# KiCad board panel.kicad_pcb (continued)
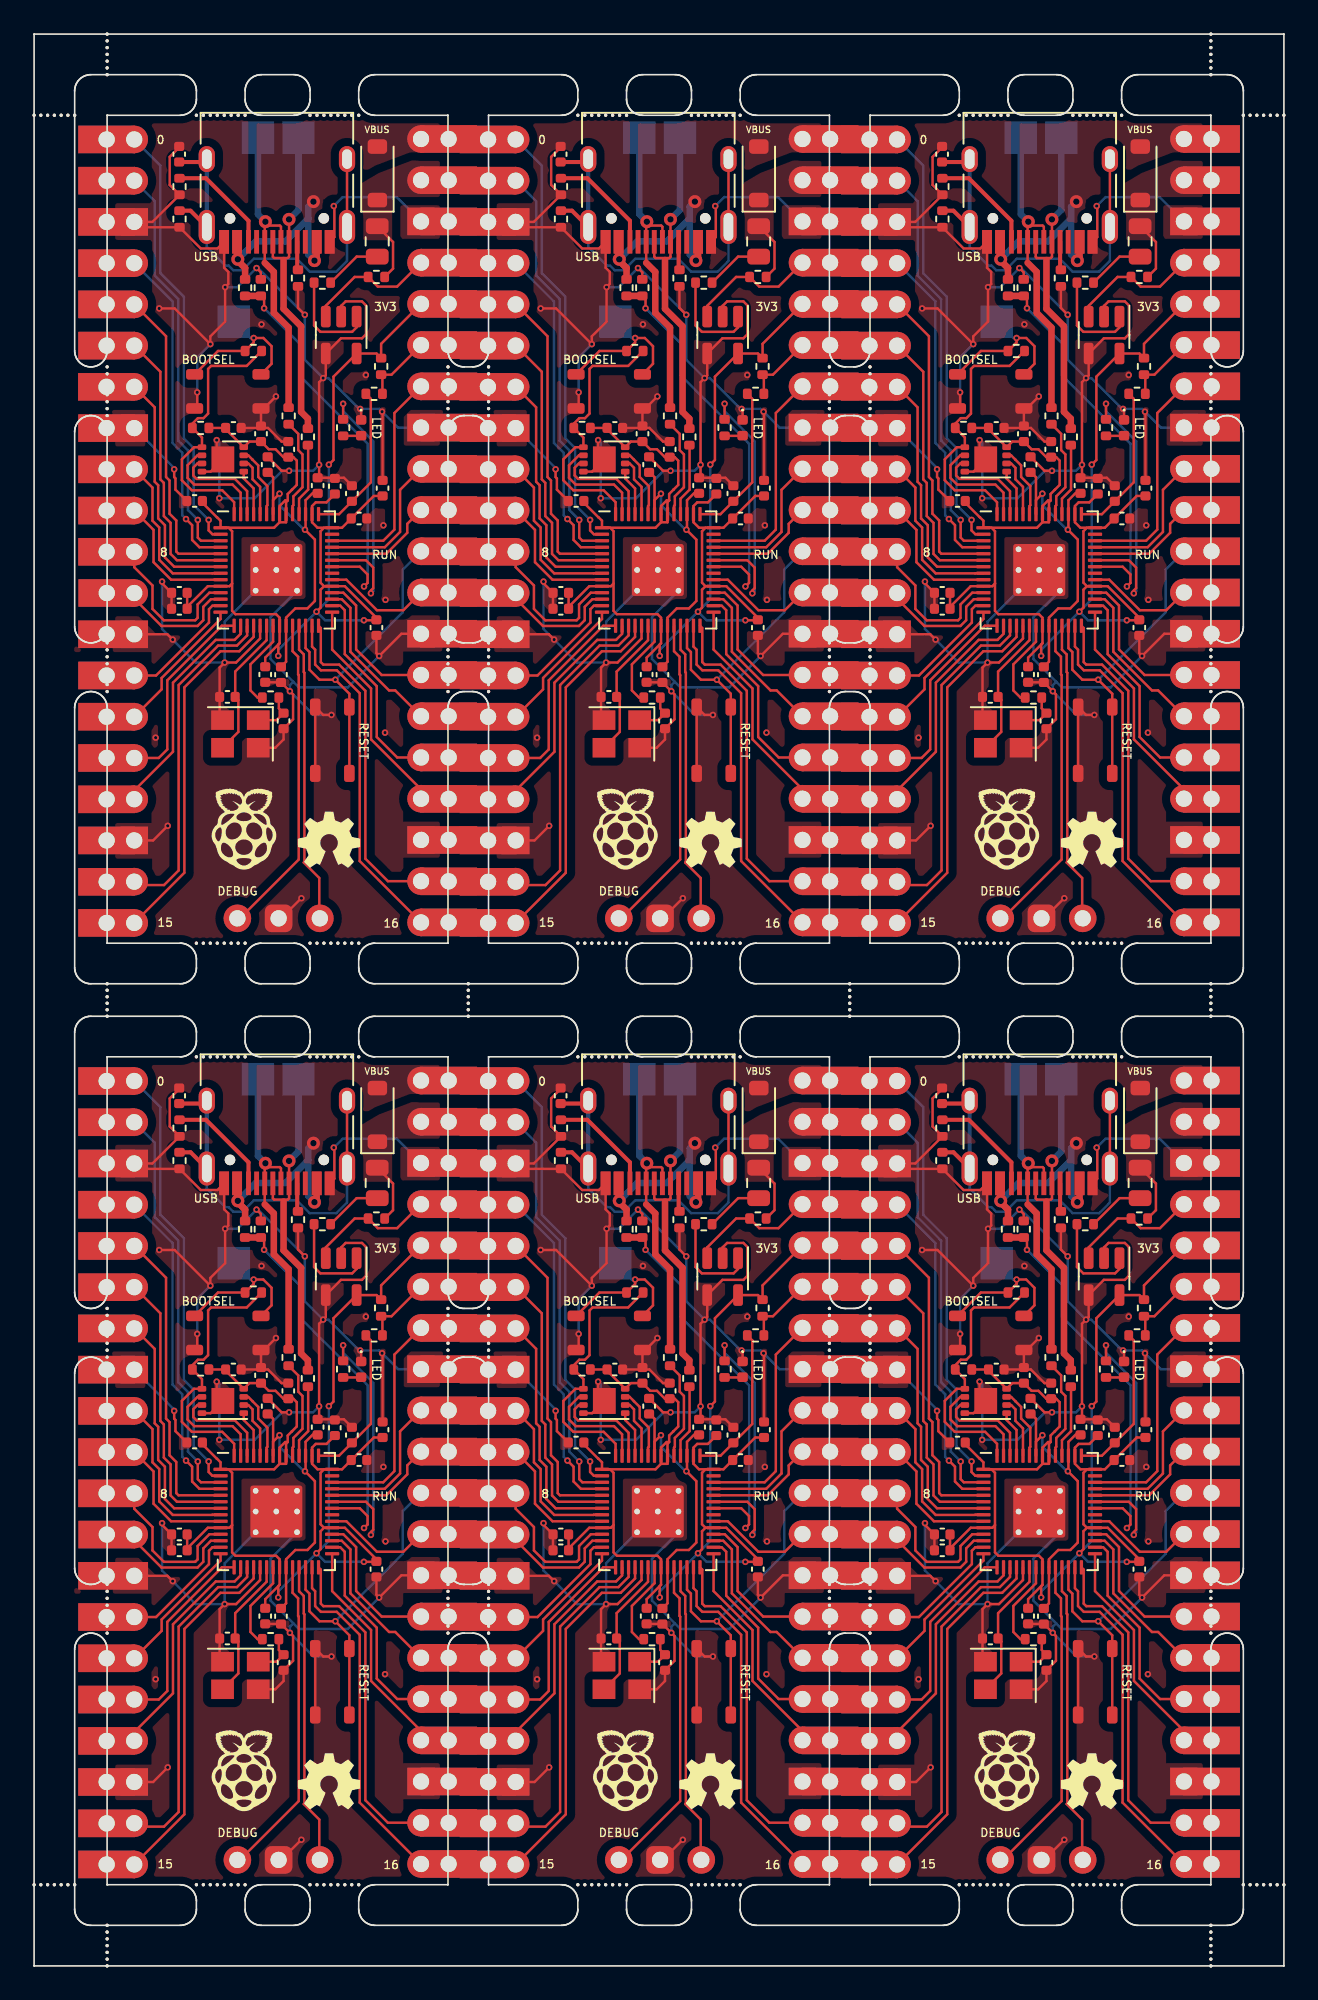
[diagram p0: board, top side]
## Routing (per net, layer and track width the routed paths; a pad name or vN(x,y) marks a point on that pad's centre or on a via; arc(x,y) is an arc through that point) (continued)
Board_5-/GPIO9: length 7.5
  Top w0.15: J1#4.12 53.17,26.22 54.85,24.54 57.07,24.54 57.43,24.89 57.43,25.72 57.89,26.19 U1#5.12
Board_5-/GPIO10: length 7.6
  Top w0.15: U1#5.13 57.99,25.79 57.78,25.58 57.78,24.75 54.52,21.49 J1#4.14
Board_5-/GPIO11: length 8.6
  Top w0.15: J1#4.15 54.86,20.64 54.86,21.34 58.49,24.97 U1#5.14
Board_5-/GPIO12: length 12
  Top w0.15: 59.32,24.55 58.57,24.55 55.21,21.19 55.21,16.94 54.68,16.41 J1#4.16
Board_5-/GPIO13: length 14.1
  Top w0.15: J1#4.17 53.17,14.41 55.56,16.79 55.56,21.05 58.19,23.68 59.35,23.68 59.72,24.05 59.72,24.55
Board_5-/GPIO14: length 20.7
  Top w0.15: J1#4.19 53.38,8.58 55.01,8.58 55.91,9.48 55.91,20.9 58.34,23.33 59.5,23.33 60.12,23.96 U1#5.17
Board_5-/GPIO15: length 22
  Top w0.15: J1#4.20 56.26,9.34 56.26,20.76 58.48,22.98 59.64,22.98 60.53,23.86 U1#5.18
Board_5-/GPIO16: length 21.6
  Top w0.15: J2.20 67.06,10.06 67.06,20.4 65.65,21.81 64.67,21.81 64.31,22.17 64.31,23.08 64.12,23.27 U1#5.27
Board_5-/GPIO17: length 20.1
  Top w0.15: J2.19 68.79,8.82 67.41,10.2 67.41,20.54 65.79,22.16 64.82,22.16 64.66,22.31 64.66,24.41 U1#5.28
Board_5-/GPIO18: length 13.8
  Top w0.15: U1#5.29 65.36,23.09 67.76,20.69 67.76,17.56 70.84,14.48 J2.17
Board_5-/GPIO19: length 12.8
  Top w0.15: U1#5.30 65.86,25.79 66.14,25.51 66.14,22.8 68.11,20.83 68.11,17.7 69.37,16.44 J2.16
Board_5-/GPIO20: length 10
  Top w0.15: U1#5.31 65.96,26.19 66.49,25.66 66.49,22.95 68.87,20.57 69.25,20.57 J2.15
Board_5-/GPIO21: length 9.2
  Top w0.15: U1#5.32 66.05,26.59 66.84,25.8 66.84,23.09 68.41,21.52 J2.14
Board_5-/GPIO22: length 6.7
  Top w0.15: J2.12 69.75,25.51 68.12,25.51 66.24,27.39 U1#5.34
Board_5-/GPIO24: length 24.9
  Top w0.15: U1#5.36 67.07,28.19 67.54,27.71 67.54,27.19 v1(67.33,26.97) ; v1(61.17,44.11) 61.17,44.67 R14#4.2
  Top w0.4: R13#4.1 R14#4.2
  Bottom w0.15: v1(67.33,26.97) 67.55,27.2 67.55,35.77 63.33,39.99 63.33,41.95 v1(61.17,44.11)
Board_5-/GPIO25: length 17.8
  Top w0.15: v1(66.04,38.23) R5#3.1 ; v1(67.75,26.55) 67.75,26.73 67.89,26.87 67.89,28.14 67.44,28.59 U1#5.37
  Bottom w0.15: v1(66.04,38.23) 66.04,37.77 67.9,35.91 67.9,26.7 v1(67.75,26.55)
Board_5-/GPIO26_ADC0: length 6.9
  Top w0.15: J2.10 69.99,30.83 69.99,30.28 68.7,28.99 U1#5.38
Board_5-/GPIO27_ADC1: length 9
  Top w0.15: U1#5.39 68.61,29.39 69.55,30.33 69.55,32.93 J2.9
Board_5-/GPIO28_ADC2: length 13.6
  Top w0.15: U1#5.40 68.51,29.79 69.2,30.48 69.2,37.66 J2.7
Board_5-/QSPI_SCLK: length 3.7
  Top w0.15: U2#4.6 60.2,34.55 60.46,34.29 60.46,33.57 60.93,33.11 U1#5.52
Board_5-/QSPI_SD0: length 2.9
  Top w0.15: U1#5.53 60.53,33.01 59.92,33.62 U2#4.5
Board_5-/QSPI_SD1: length 6.9
  Top w0.15: U2#4.2 57.06,35.05 56.46,34.44 56.46,33.66 56.87,33.25 59.23,33.25 59.72,32.75 59.72,31.43
Board_5-/QSPI_SD2: length 6.3
  Top w0.15: U1#5.54 60.12,32.84 59.37,33.6 57.01,33.6 56.81,33.81 56.81,34.29 57.06,34.55 U2#4.3
Board_5-/QSPI_SD3: length 4.4
  Top w0.15: 61.32,31.43 61.32,31.93 61.38,31.98 61.38,33.15 60.81,33.72 60.81,34.43 60.46,34.79 60.46,34.79 60.2,35.05 U2#4.7
Board_5-/QSPI_SS: length 16.9
  Top w0.15: 59.32,31.43 59.32,32.17 58.59,32.9 56.72,32.9 56.1,33.52 56.1,34.81 56.85,35.55 U2#4.1 57.34,36.15 R9#5.1 ; R9#5.1 56.75,37 57.09,37.34 57.44,37.34 57.72,37.62 57.72,40.38 57.9,40.56 60.1,40.56 R8#3.2 ; R9#5.1 56.62,36.74
Board_5-/RUN: length 20.9
  Top w0.15: SW1#2.2 SW1#2.2 66.42,20.37 v1(65.56,21.23) 64.58,21.23 63.97,21.84 63.97,22.93 63.72,23.17 63.72,24.55
  Bottom w0.15: J2.11 69.72,28.02 69.72,25.39 v1(65.56,21.23)
Board_5-/SWCLK: length 20
  Top w0.15: U1#5.24 62.93,22.98 63.26,22.64 63.26,21.56 63.31,21.52 63.31,10.16 59.49,6.34
Board_5-/SWD: length 18.8
  Top w0.15: 64.57,6.34 64.57,9.02 63.62,9.97 63.66,10.01 63.66,21.66 63.62,21.7 63.62,22.79 63.32,23.08 63.32,24.55
Board_5-/USB_BOOT: length 9.7
  Top w0.15: SW2#3.2 58.33,41.48 R8#3.1 60.53,42.01 v1(60.53,42.28) 61.12,42.28 61.63,41.77 61.63,40.69 SW2#3.2
  Bottom w0.15: TP3#6.1 60.32,42.28 v1(60.53,42.28)
Board_5-/USB_DM: length 20.6
  Top w0.15: J4#2.A7 61.71,47.28 61.78,47.2 62.63,47.2 62.71,47.28 J4#2.B7 62.71,49.58 v2(62.71,49.59)
  Top w0.4: 62.37,47.08 62.37,44.08 63.45,43 63.45,37.73 63.87,37.31 R2#4.2
  Bottom w0.4: v2(62.71,49.59) 63.29,50.17 TP2#5.1
Board_5-/USB_DP: length 19.4
  Top w0.15: J4#2.A6 62.21,49.13 62.13,49.2 61.28,49.2 ; v2(61.25,49.44) 61.28,49.41 61.28,49.2 ; 61.28,49.2 61.21,49.13 J4#2.B6 61.21,46.91
  Top w0.4: R1#2.2 62.68,42.92 61.77,43.83 61.77,46.35 61.21,46.91
  Bottom w0.4: v2(61.25,49.44) 60.79,49.9 TP1#6.1
Board_5-GND: length 169.7
  Top w0.15: SW1#2.1 SW1#2.1 64.81,19.06 v1(65.32,19.06) ; U3.2 65.92,44.26 66.2,44.53 67.2,44.53 67.45,44.29 67.45,42.51 67.2,42.26 65.91,42.26 U3.4 64.97,39.97 v1(64.81,39.81) 64.56,39.56 v1(64.56,34.47) 64.56,33.76 C3.2 66.09,33.67 C12#2.2 ; v1(55.63,34.19) 55.63,33.71 55.71,33.63 55.71,32.94 C9#4.2 ; C10#3.2 68.47,37.71 v1(68.44,37.74) ; U2#4.4 57.88,34.05 U2#4.9 58.25,35.18 v1(58.25,35.99) ; J4#2.A1 65.5,48.5 65.5,50.37 v1(65.46,50.41) ; 62.03,6.34 63.46,7.77 v1(63.47,7.77) ; v1(67.09,37.91) 67.15,37.85 D1.1 ; R11#4.2 63.26,44.13 v1(63.68,43.71) ; J2.13 69.63,24.06 v1(68.26,22.69) 68.09,22.86 C7#5.2 ; v1(54.88,27.27) 54.88,27.17 C13#3.2 C8#4.2 55.47,25.68 ; R14#4.1 60.97,46.32 v1(60.7,46.59) ; C16#4.1 61.41,36.74 62.25,35.9 C5#2.2 ; v1(55.54,23.7) 55.21,24.03 J1#4.13 ; v1(54.71,44.1) 55.66,44.1 v1(57.86,41.9) 57.86,42.38 58.77,43.29 v1(58.77,45.41) 58.97,45.61 58.97,46.35 58.71,46.61 J4#2.A12 58.3,47.8 57.26,47.8 R10.1 53.5,49.1 J1#4.3 54.29,49.43 R12#3.2 55.35,51.7 55.35,53.44 55.94,54.02 C17.2 ; Y1#4.4 61.86,17.04 62.37,17.55 C14#4.2 62.96,18.8 62.96,20.33 v1(62.76,20.52) 62.22,21.06 C2#3.2 62.2,21.07 C6#2.2 ; SW2#3.1 57.05,38.1 v1(57.05,38.93) ; J1#4.18 54.33,11.33 v1(55.23,12.23) ; v1(61.9,38.68) 60.98,37.76 C19#4.2 ; C1#4.2 62.25,34.1 v1(62.71,34.1) ; Y1#4.2 58.43,18.92 C15#3.1 58.43,21.98 v1(58.74,22.29) 59.44,22.29 60.93,23.77 U1#5.19
  Bottom w0.15: v1(58.77,45.41) 59.53,45.41 v1(60.7,46.59) 60.8,46.59 v1(63.68,43.71) 63.68,40.94 v1(64.81,39.81) 65.13,39.81 67.03,37.91 v1(67.09,37.91) 68.27,37.91 v1(68.44,37.74) 69.42,36.76 J2.8 ; v1(57.86,41.9) 57.05,41.09 v1(57.05,38.93) ; 62.97,21.1 62.76,20.89 v1(62.76,20.52) 64.22,19.06 v1(65.32,19.06) ; 62.97,21.1 63.32,20.75 66.32,20.75 v1(68.26,22.69) ; 62.97,21.1 61.57,22.5 61.57,25.08 63.2,26.72 ; v1(54.88,27.27) 54.88,24.36 v1(55.54,23.7) 56.95,22.29 v1(58.74,22.29) 58.74,24.81 60.65,26.72 ; v1(58.25,35.99) 58.41,35.83 v1(58.41,32.41) 60.59,32.41 62.28,34.1 v1(62.71,34.1) 64.19,34.1 v1(64.56,34.47) ; v1(55.63,34.19) 55.63,34.27 J1#4.8 ; v1(65.46,50.41) 66.02,50.96 69.34,50.96 J2.3
  vias: v1(54.49,17.66) v1(61.01,43.12) v1(67.44,40) v1(68.52,30.74) v1(68.62,17.97) v1(68.65,26.15)
Board_5-Net-(C14-Pad1): length 2.8
  Top w0.15: R7#5.1 62.08,19.46 C14#4.1 61.94,18.74 Y1#4.1
Board_5-Net-(D1-A): length 1.1
  Top w0.15: D1.2 67.13,36.25 R5#3.2
Board_5-Net-(F1-Pad2): length 3.5
  Top w0.15: F1#5.2 66.87,47.29 FB1#4.2
Board_5-Net-(J4-CC1): length 1.7
  Top w0.25: J4#2.A5 63.21,46.53 R11#4.1
Board_5-Net-(J4-CC2): length 6.6
  Top w0.25: R12#3.1 57.59,52.12 60.21,49.5 J4#2.B5
Board_5-Net-(J4-SHIELD): length 25.7
  Top w0.15: J4#2.S1 J4#2.S1
  Top w0.25: R10.2 56.64,50.12 J4#2.S1 ; J4#2.S1 57.46,53.12 C17.1
  Bottom w0.15: J4#2.S1 66.28,47.03 65.62,46.37 63.98,46.37 63.19,47.16 60.54,47.16 59.83,46.45 59.27,46.45 58.98,46.74 58.79,46.74 57.64,47.89 J4#2.S1
  Bottom w0.25: J4#2.S1 J4#2.S1
Board_5-Net-(U1-ADC_AVDD): length 9.6
  Top w0.15: U1#5.43 65.79,31.43 C12#2.1 67.75,33.39 67.75,38.53 R4#4.2
Board_5-Net-(U1-USB_DM): length 4.5
  Top w0.15: R2#4.1 63.88,35.67 63.88,32.94 63.32,32.38 63.32,31.43
Board_5-Net-(U1-USB_DP): length 6.1
  Top w0.15: U1#5.47 62.93,31.93 62.97,31.98 62.97,32.52 63.53,33.08 63.53,35.11 63.28,35.37 63.28,36.38 R1#2.1
Board_5-Net-(U3-IN): length 6.2
  Top w0.15: FB1#4.1 64.25,43.05 64.64,42.66 66.59,42.66 66.87,42.94 U3.1
Board_5-VBUS: length 13.8
  Top w0.4: J4#2.A9 59.51,47.08 60,46.59 ; 60,46.59 59.55,47.04 v2(59.55,47.13) ; 60,46.59 R13#4.2 ; J4#2.A4 64.41,47.18 v2(64.27,47.05)
  Bottom w0.4: v2(64.27,47.05) 63.89,47.43 63.89,49.64 ; 63.89,49.64 62.48,48.23 60.65,48.23 v2(59.55,47.13) ; 63.89,49.64 63.89,50.36 v2(64.21,50.68)
Board_5-VSYS: length 3.7
  Top w0.15: R15#6.1 69.12,46.56 69.12,48.19 F1#5.1
Board_5-XIN: length 8.8
  Top w0.15: 61.32,24.55 61.32,23.67 59.39,21.73 C15#3.2 59.59,19.97 59.59,18.02 Y1#4.3
Board_5-XOUT: length 5.5
  Top w0.15: R7#5.2 60.77,20.13 60.33,20.57 60.33,22.18 61.72,23.57 61.72,24.55

## Copper pours and planes (outline as drawn; the poured copper is in the pictures)
Board_0-GND on Top: 7.25,113.97 7.25,108.7 7.13,108.58 2.49,108.58 2.46,108.55 2.46,106.37 2.51,106.32 7.15,106.32 7.27,106.2 7.27,95.91 7.21,95.85 2.46,95.85 2.46,93.66 2.52,93.6 7.26,93.6 7.26,83.16 7.24,83.14 2.48,83.14 2.47,83.13 2.47,80.94 2.48,80.93 7.23,80.93 7.23,70.41 7.22,70.4 2.54,70.4 2.5,70.44 2.5,68.26 2.55,68.21 7.27,68.21 7.27,63.07 22.75,63.07 22.75,68.22 22.74,68.23 22.78,68.27 27.57,68.27 27.57,70.48 27.56,70.49 22.75,70.49 22.74,70.48 22.74,80.94 22.77,80.97 27.55,80.97 27.55,83.13 27.49,83.19 22.77,83.19 22.77,93.59 22.83,93.65 27.56,93.65 27.56,95.84 27.55,95.85 22.74,95.85 22.73,95.84 22.73,106.32 22.8,106.39 27.54,106.39 27.54,108.55 22.75,108.55 22.73,108.57 22.73,113.91 8.48,113.91 8.31,113.94 8.08,113.97
Board_0-GND on Bottom: 7.24,114.06 7.24,108.63 7.14,108.53 2.5,108.53 2.47,108.5 2.47,106.37 2.51,106.33 7.25,106.33 7.27,106.31 7.27,95.82 2.46,95.82 2.46,93.7 2.58,93.58 7.29,93.58 7.29,83.18 7.23,83.12 2.5,83.12 2.44,83.18 2.44,80.94 2.48,80.9 7.27,80.9 7.29,80.88 7.29,70.44 7.27,70.42 2.46,70.42 2.46,68.26 2.52,68.2 7.29,68.2 7.29,63.09 7.25,63.05 7.27,63.03 22.78,63.03 22.78,68.26 27.57,68.26 27.57,70.19 27.3,70.46 22.76,70.46 22.74,70.44 22.74,80.92 22.8,80.98 27.59,80.98 27.59,83.12 27.55,83.16 22.78,83.16 22.74,83.12 22.67,83.19 22.67,93.64 22.74,93.71 27.58,93.71 27.58,95.77 27.46,95.89 22.76,95.89 22.7,95.83 22.7,106.37 22.76,106.43 27.55,106.43 27.55,108.49 27.49,108.55 22.7,108.55 22.67,108.58 22.67,114.06
Board_0-VBUS on Top: 17.79,105.33 16.99,105.33 16.98,105.34 16.76,106.99 16.18,107.79 14,107.79 13.7,108.09 13.7,113.56 13.86,113.72 27.63,113.72 27.65,113.7 27.65,111.7 27.39,111.44 22.51,111.44 21.72,110.65 18.83,110.65 18.83,109.09 18.85,109.07 18.61,108.83 18.14,108.83 17.81,108.81 17.8,105.43 17.79,105.37
Board_0-VSYS on Top: 27.38,111.21 23.26,111.21 21.24,110.45 20.18,109.82 20.15,109.79 20.15,106.3 22.06,106.3 22.06,108.76 22.26,108.96 27.55,108.96 27.55,111.2 27.55,111.22 27.51,111.21
Board_1-GND on Top: 30.75,113.97 30.75,108.7 30.63,108.58 25.99,108.58 25.96,108.55 25.96,106.37 26.01,106.32 30.65,106.32 30.77,106.2 30.77,95.91 30.71,95.85 25.96,95.85 25.96,93.66 26.02,93.6 30.76,93.6 30.76,83.16 30.74,83.14 25.98,83.14 25.97,83.13 25.97,80.94 25.98,80.93 30.73,80.93 30.73,70.41 30.72,70.4 26.04,70.4 26,70.44 26,68.26 26.05,68.21 30.77,68.21 30.77,63.07 46.25,63.07 46.25,68.22 46.24,68.23 46.28,68.27 51.07,68.27 51.07,70.48 51.06,70.49 46.25,70.49 46.24,70.48 46.24,80.94 46.27,80.97 51.05,80.97 51.05,83.13 50.99,83.19 46.27,83.19 46.27,93.59 46.33,93.65 51.06,93.65 51.06,95.84 51.05,95.85 46.24,95.85 46.23,95.84 46.23,106.32 46.3,106.39 51.04,106.39 51.04,108.55 46.25,108.55 46.23,108.57 46.23,113.91 31.98,113.91 31.81,113.94 31.58,113.97
Board_1-GND on Bottom: 30.74,114.06 30.74,108.63 30.64,108.53 26,108.53 25.97,108.5 25.97,106.37 26.01,106.33 30.75,106.33 30.77,106.31 30.77,95.82 25.96,95.82 25.96,93.7 26.08,93.58 30.79,93.58 30.79,83.18 30.73,83.12 26,83.12 25.94,83.18 25.94,80.94 25.98,80.9 30.77,80.9 30.79,80.88 30.79,70.44 30.77,70.42 25.96,70.42 25.96,68.26 26.02,68.2 30.79,68.2 30.79,63.09 30.75,63.05 30.77,63.03 46.28,63.03 46.28,68.26 51.07,68.26 51.07,70.19 50.8,70.46 46.26,70.46 46.24,70.44 46.24,80.92 46.3,80.98 51.09,80.98 51.09,83.12 51.05,83.16 46.28,83.16 46.24,83.12 46.17,83.19 46.17,93.64 46.24,93.71 51.08,93.71 51.08,95.77 50.96,95.89 46.26,95.89 46.2,95.83 46.2,106.37 46.26,106.43 51.05,106.43 51.05,108.49 50.99,108.55 46.2,108.55 46.17,108.58 46.17,114.06
Board_1-VBUS on Top: 41.29,105.33 40.49,105.33 40.48,105.34 40.26,106.99 39.68,107.79 37.5,107.79 37.2,108.09 37.2,113.56 37.36,113.72 51.13,113.72 51.15,113.7 51.15,111.7 50.89,111.44 46.01,111.44 45.22,110.65 42.33,110.65 42.33,109.09 42.35,109.07 42.11,108.83 41.64,108.83 41.31,108.81 41.3,105.43 41.29,105.37
Board_1-VSYS on Top: 50.88,111.21 46.76,111.21 44.74,110.45 43.68,109.82 43.65,109.79 43.65,106.3 45.56,106.3 45.56,108.76 45.76,108.96 51.05,108.96 51.05,111.2 51.05,111.22 51.01,111.21
Board_2-GND on Top: 54.25,113.97 54.25,108.7 54.13,108.58 49.49,108.58 49.46,108.55 49.46,106.37 49.51,106.32 54.15,106.32 54.27,106.2 54.27,95.91 54.21,95.85 49.46,95.85 49.46,93.66 49.52,93.6 54.26,93.6 54.26,83.16 54.24,83.14 49.48,83.14 49.47,83.13 49.47,80.94 49.48,80.93 54.23,80.93 54.23,70.41 54.22,70.4 49.54,70.4 49.5,70.44 49.5,68.26 49.55,68.21 54.27,68.21 54.27,63.07 69.75,63.07 69.75,68.22 69.74,68.23 69.78,68.27 74.57,68.27 74.57,70.48 74.56,70.49 69.75,70.49 69.74,70.48 69.74,80.94 69.77,80.97 74.55,80.97 74.55,83.13 74.49,83.19 69.77,83.19 69.77,93.59 69.83,93.65 74.56,93.65 74.56,95.84 74.55,95.85 69.74,95.85 69.73,95.84 69.73,106.32 69.8,106.39 74.54,106.39 74.54,108.55 69.75,108.55 69.73,108.57 69.73,113.91 55.48,113.91 55.31,113.94 55.08,113.97
Board_2-GND on Bottom: 54.24,114.06 54.24,108.63 54.14,108.53 49.5,108.53 49.47,108.5 49.47,106.37 49.51,106.33 54.25,106.33 54.27,106.31 54.27,95.82 49.46,95.82 49.46,93.7 49.58,93.58 54.29,93.58 54.29,83.18 54.23,83.12 49.5,83.12 49.44,83.18 49.44,80.94 49.48,80.9 54.27,80.9 54.29,80.88 54.29,70.44 54.27,70.42 49.46,70.42 49.46,68.26 49.52,68.2 54.29,68.2 54.29,63.09 54.25,63.05 54.27,63.03 69.78,63.03 69.78,68.26 74.57,68.26 74.57,70.19 74.3,70.46 69.76,70.46 69.74,70.44 69.74,80.92 69.8,80.98 74.59,80.98 74.59,83.12 74.55,83.16 69.78,83.16 69.74,83.12 69.67,83.19 69.67,93.64 69.74,93.71 74.58,93.71 74.58,95.77 74.46,95.89 69.76,95.89 69.7,95.83 69.7,106.37 69.76,106.43 74.55,106.43 74.55,108.49 74.49,108.55 69.7,108.55 69.67,108.58 69.67,114.06
Board_2-VBUS on Top: 64.79,105.33 63.99,105.33 63.98,105.34 63.76,106.99 63.18,107.79 61,107.79 60.7,108.09 60.7,113.56 60.86,113.72 74.63,113.72 74.65,113.7 74.65,111.7 74.39,111.44 69.51,111.44 68.72,110.65 65.83,110.65 65.83,109.09 65.85,109.07 65.61,108.83 65.14,108.83 64.81,108.81 64.8,105.43 64.79,105.37
Board_2-VSYS on Top: 74.38,111.21 70.26,111.21 68.24,110.45 67.18,109.82 67.15,109.79 67.15,106.3 69.06,106.3 69.06,108.76 69.26,108.96 74.55,108.96 74.55,111.2 74.55,111.22 74.51,111.21
Board_3-GND on Top: 7.25,55.97 7.25,50.7 7.13,50.58 2.49,50.58 2.46,50.55 2.46,48.37 2.51,48.32 7.15,48.32 7.27,48.2 7.27,37.91 7.21,37.85 2.46,37.85 2.46,35.66 2.52,35.6 7.26,35.6 7.26,25.16 7.24,25.14 2.48,25.14 2.47,25.13 2.47,22.94 2.48,22.93 7.23,22.93 7.23,12.41 7.22,12.4 2.54,12.4 2.5,12.44 2.5,10.26 2.55,10.21 7.27,10.21 7.27,5.07 22.75,5.07 22.75,10.22 22.74,10.23 22.78,10.27 27.57,10.27 27.57,12.48 27.56,12.49 22.75,12.49 22.74,12.48 22.74,22.94 22.77,22.97 27.55,22.97 27.55,25.13 27.49,25.19 22.77,25.19 22.77,35.59 22.83,35.65 27.56,35.65 27.56,37.84 27.55,37.85 22.74,37.85 22.73,37.84 22.73,48.32 22.8,48.39 27.54,48.39 27.54,50.55 22.75,50.55 22.73,50.57 22.73,55.91 8.48,55.91 8.31,55.94 8.08,55.97
Board_3-GND on Bottom: 7.24,56.06 7.24,50.63 7.14,50.53 2.5,50.53 2.47,50.5 2.47,48.37 2.51,48.33 7.25,48.33 7.27,48.31 7.27,37.82 2.46,37.82 2.46,35.7 2.58,35.58 7.29,35.58 7.29,25.18 7.23,25.12 2.5,25.12 2.44,25.18 2.44,22.94 2.48,22.9 7.27,22.9 7.29,22.88 7.29,12.44 7.27,12.42 2.46,12.42 2.46,10.26 2.52,10.2 7.29,10.2 7.29,5.09 7.25,5.05 7.27,5.03 22.78,5.03 22.78,10.26 27.57,10.26 27.57,12.19 27.3,12.46 22.76,12.46 22.74,12.44 22.74,22.92 22.8,22.98 27.59,22.98 27.59,25.12 27.55,25.16 22.78,25.16 22.74,25.12 22.67,25.19 22.67,35.64 22.74,35.71 27.58,35.71 27.58,37.77 27.46,37.89 22.76,37.89 22.7,37.83 22.7,48.37 22.76,48.43 27.55,48.43 27.55,50.49 27.49,50.55 22.7,50.55 22.67,50.58 22.67,56.06
Board_3-VBUS on Top: 17.79,47.33 16.99,47.33 16.98,47.34 16.76,48.99 16.18,49.79 14,49.79 13.7,50.09 13.7,55.56 13.86,55.72 27.63,55.72 27.65,55.7 27.65,53.7 27.39,53.44 22.51,53.44 21.72,52.65 18.83,52.65 18.83,51.09 18.85,51.07 18.61,50.83 18.14,50.83 17.81,50.81 17.8,47.43 17.79,47.37
Board_3-VSYS on Top: 27.38,53.21 23.26,53.21 21.24,52.45 20.18,51.82 20.15,51.79 20.15,48.3 22.06,48.3 22.06,50.76 22.26,50.96 27.55,50.96 27.55,53.2 27.55,53.22 27.51,53.21
Board_4-GND on Top: 30.75,55.97 30.75,50.7 30.63,50.58 25.99,50.58 25.96,50.55 25.96,48.37 26.01,48.32 30.65,48.32 30.77,48.2 30.77,37.91 30.71,37.85 25.96,37.85 25.96,35.66 26.02,35.6 30.76,35.6 30.76,25.16 30.74,25.14 25.98,25.14 25.97,25.13 25.97,22.94 25.98,22.93 30.73,22.93 30.73,12.41 30.72,12.4 26.04,12.4 26,12.44 26,10.26 26.05,10.21 30.77,10.21 30.77,5.07 46.25,5.07 46.25,10.22 46.24,10.23 46.28,10.27 51.07,10.27 51.07,12.48 51.06,12.49 46.25,12.49 46.24,12.48 46.24,22.94 46.27,22.97 51.05,22.97 51.05,25.13 50.99,25.19 46.27,25.19 46.27,35.59 46.33,35.65 51.06,35.65 51.06,37.84 51.05,37.85 46.24,37.85 46.23,37.84 46.23,48.32 46.3,48.39 51.04,48.39 51.04,50.55 46.25,50.55 46.23,50.57 46.23,55.91 31.98,55.91 31.81,55.94 31.58,55.97
Board_4-GND on Bottom: 30.74,56.06 30.74,50.63 30.64,50.53 26,50.53 25.97,50.5 25.97,48.37 26.01,48.33 30.75,48.33 30.77,48.31 30.77,37.82 25.96,37.82 25.96,35.7 26.08,35.58 30.79,35.58 30.79,25.18 30.73,25.12 26,25.12 25.94,25.18 25.94,22.94 25.98,22.9 30.77,22.9 30.79,22.88 30.79,12.44 30.77,12.42 25.96,12.42 25.96,10.26 26.02,10.2 30.79,10.2 30.79,5.09 30.75,5.05 30.77,5.03 46.28,5.03 46.28,10.26 51.07,10.26 51.07,12.19 50.8,12.46 46.26,12.46 46.24,12.44 46.24,22.92 46.3,22.98 51.09,22.98 51.09,25.12 51.05,25.16 46.28,25.16 46.24,25.12 46.17,25.19 46.17,35.64 46.24,35.71 51.08,35.71 51.08,37.77 50.96,37.89 46.26,37.89 46.2,37.83 46.2,48.37 46.26,48.43 51.05,48.43 51.05,50.49 50.99,50.55 46.2,50.55 46.17,50.58 46.17,56.06
Board_4-VBUS on Top: 41.29,47.33 40.49,47.33 40.48,47.34 40.26,48.99 39.68,49.79 37.5,49.79 37.2,50.09 37.2,55.56 37.36,55.72 51.13,55.72 51.15,55.7 51.15,53.7 50.89,53.44 46.01,53.44 45.22,52.65 42.33,52.65 42.33,51.09 42.35,51.07 42.11,50.83 41.64,50.83 41.31,50.81 41.3,47.43 41.29,47.37
Board_4-VSYS on Top: 50.88,53.21 46.76,53.21 44.74,52.45 43.68,51.82 43.65,51.79 43.65,48.3 45.56,48.3 45.56,50.76 45.76,50.96 51.05,50.96 51.05,53.2 51.05,53.22 51.01,53.21
Board_5-GND on Top: 54.25,55.97 54.25,50.7 54.13,50.58 49.49,50.58 49.46,50.55 49.46,48.37 49.51,48.32 54.15,48.32 54.27,48.2 54.27,37.91 54.21,37.85 49.46,37.85 49.46,35.66 49.52,35.6 54.26,35.6 54.26,25.16 54.24,25.14 49.48,25.14 49.47,25.13 49.47,22.94 49.48,22.93 54.23,22.93 54.23,12.41 54.22,12.4 49.54,12.4 49.5,12.44 49.5,10.26 49.55,10.21 54.27,10.21 54.27,5.07 69.75,5.07 69.75,10.22 69.74,10.23 69.78,10.27 74.57,10.27 74.57,12.48 74.56,12.49 69.75,12.49 69.74,12.48 69.74,22.94 69.77,22.97 74.55,22.97 74.55,25.13 74.49,25.19 69.77,25.19 69.77,35.59 69.83,35.65 74.56,35.65 74.56,37.84 74.55,37.85 69.74,37.85 69.73,37.84 69.73,48.32 69.8,48.39 74.54,48.39 74.54,50.55 69.75,50.55 69.73,50.57 69.73,55.91 55.48,55.91 55.31,55.94 55.08,55.97
Board_5-GND on Bottom: 54.24,56.06 54.24,50.63 54.14,50.53 49.5,50.53 49.47,50.5 49.47,48.37 49.51,48.33 54.25,48.33 54.27,48.31 54.27,37.82 49.46,37.82 49.46,35.7 49.58,35.58 54.29,35.58 54.29,25.18 54.23,25.12 49.5,25.12 49.44,25.18 49.44,22.94 49.48,22.9 54.27,22.9 54.29,22.88 54.29,12.44 54.27,12.42 49.46,12.42 49.46,10.26 49.52,10.2 54.29,10.2 54.29,5.09 54.25,5.05 54.27,5.03 69.78,5.03 69.78,10.26 74.57,10.26 74.57,12.19 74.3,12.46 69.76,12.46 69.74,12.44 69.74,22.92 69.8,22.98 74.59,22.98 74.59,25.12 74.55,25.16 69.78,25.16 69.74,25.12 69.67,25.19 69.67,35.64 69.74,35.71 74.58,35.71 74.58,37.77 74.46,37.89 69.76,37.89 69.7,37.83 69.7,48.37 69.76,48.43 74.55,48.43 74.55,50.49 74.49,50.55 69.7,50.55 69.67,50.58 69.67,56.06
Board_5-VBUS on Top: 64.79,47.33 63.99,47.33 63.98,47.34 63.76,48.99 63.18,49.79 61,49.79 60.7,50.09 60.7,55.56 60.86,55.72 74.63,55.72 74.65,55.7 74.65,53.7 74.39,53.44 69.51,53.44 68.72,52.65 65.83,52.65 65.83,51.09 65.85,51.07 65.61,50.83 65.14,50.83 64.81,50.81 64.8,47.43 64.79,47.37
Board_5-VSYS on Top: 74.38,53.21 70.26,53.21 68.24,52.45 67.18,51.82 67.15,51.79 67.15,48.3 69.06,48.3 69.06,50.76 69.26,50.96 74.55,50.96 74.55,53.2 74.55,53.22 74.51,53.21

## Text on the board
B.Silkscreen: SWCLK | GND | SWDIO | GP1 | GP2 | GP8 | GP9 | GP7 | GP0 | GP4 | GP6 | GP3 | GP5 | GP10 | GP14 | GP12 | GP15 | GP13 | GP11 | TP1 | TP3 | TP2 | VER 1.0 | GP22 | VBUS | VSYS | 3V3_EN | GP27_A1 | GP28_A2 | GP26_A0 | RUN | GP19 | GP17 | GP16 | ADC_VREF | GP18 | 3V3 | GP20 | GP21
F.Silkscreen: VBUS | RESET | LED | 0 | 15 | 8 | BOOTSEL | USB | DEBUG | RUN | 3V3 | 16
